# Altium PCB PCB_rovables_master_v1.PcbDoc
Units mil, origin at the board's own origin, x right, y up, seen from the top; angles counter-clockwise.
Board outline 1785 x 1550 mil, 2 copper layers (Top Layer, Bottom Layer), stack 57.918 mil thick; 14 components, 34 nets, 115 pads, 8 vias.
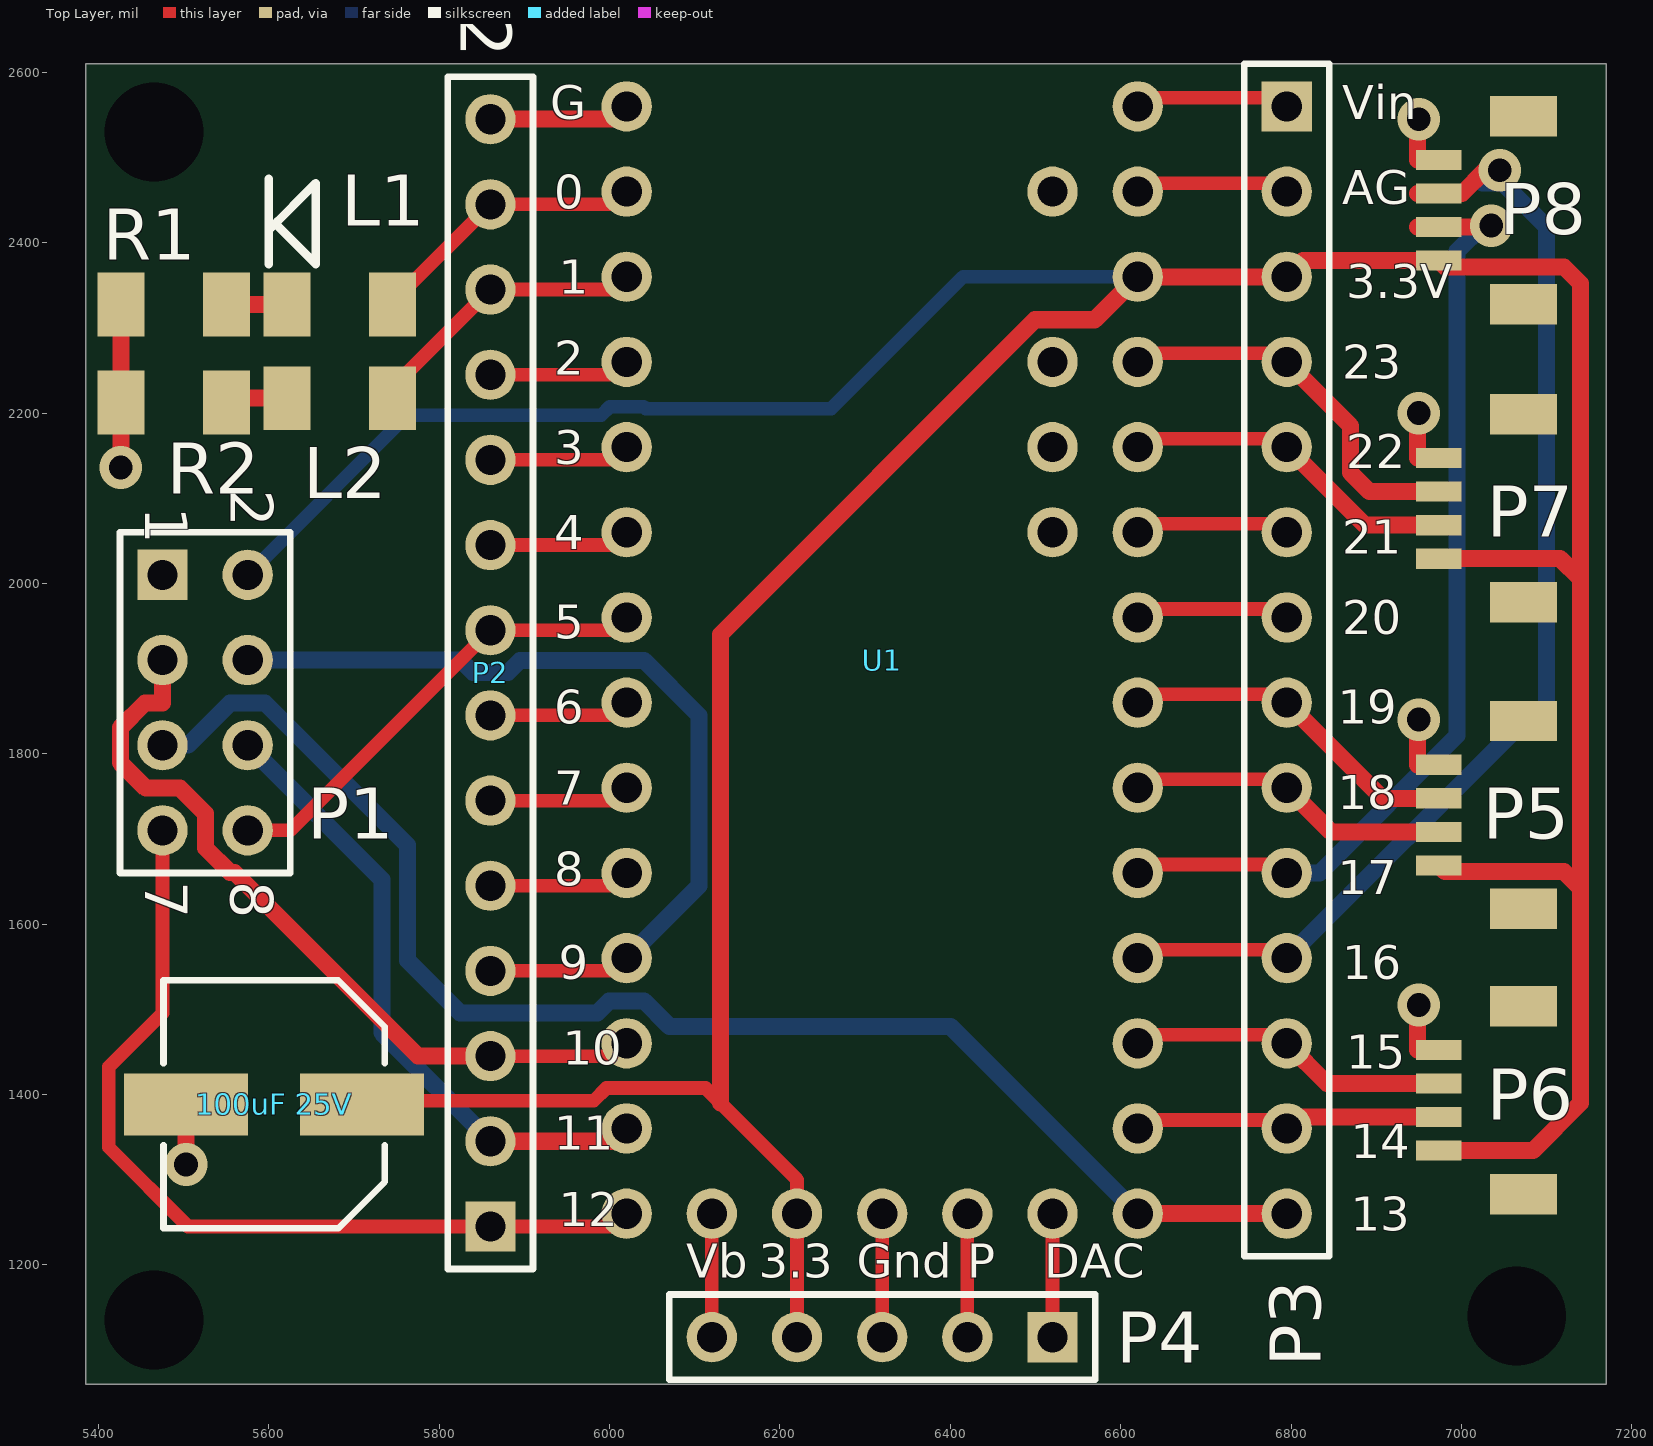
[diagram p0: Top Layer view]
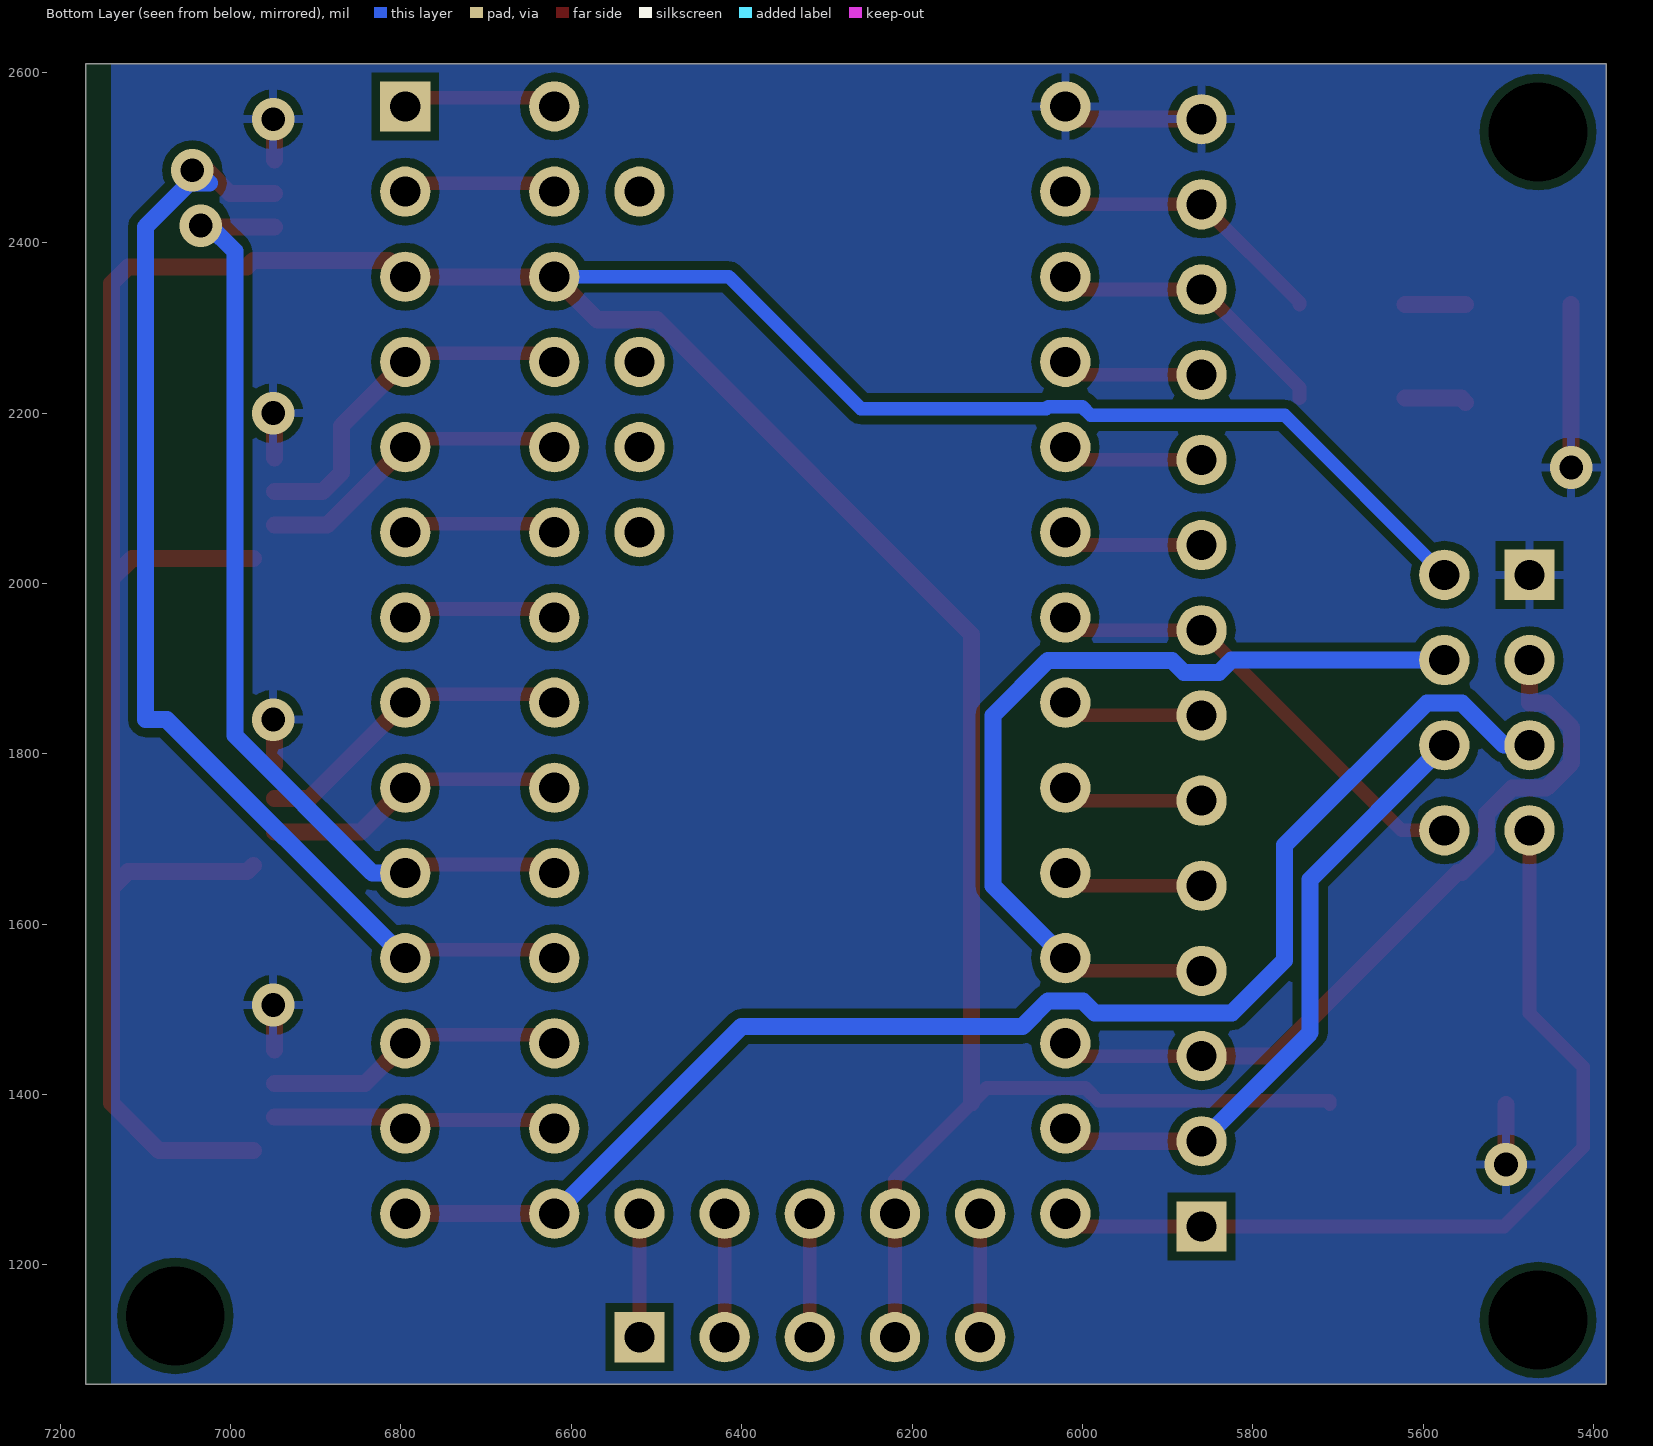
[diagram p1: Bottom Layer view, seen from below]

## Layer stack, top to bottom
Top Solder: solder mask 0.4, Solder Resist, Dk 3.5
Top Layer: signal copper 1.4
Dielectric 1: dielectric 55.1181, FR-4, Dk 4.8
Bottom Layer: signal copper 1.4
Bottom Solder: solder mask 0.4, Solder Resist, Dk 3.5

## Board outline
5385,1060 7170,1060 7170,2610 5385,2610

## Design rules (kind name [scope] priority, off if disabled: settings)
Clearance [All] p1: gap=10 ignorepadtopadclearanceinfootprint=FALSE except(0: Arc-Hole Track-Hole SMDPad-Hole THPad-Hole Via-Hole Fill-Hole Poly-Hole Region-Hole Text-Hole)
PolygonConnect [All] p1: connectstyle=Relief reliefconductorwidth=10 reliefentries=4 polygonreliefangle="90 Angle" airgapwidth=10
RoutingVias [All] p1: holewidth=28 width=50 viastyle="Through Hole" minholewidth=28 minwidth=50 maxholewidth=28 maxwidth=50
SolderMaskExpansion [All] p1: expansion=4
Width [All] p1: maxlimit=20 minlimit=10 preferedwidth=10
30 further rules are at their usual default settings.

## Components (designator, comment, footprint, x,y, rotation, side; value= is the part's Value field where it differs from the comment)
"100uF 25V" "Electrolytic Cap 100uF smd" "F80 Electrolytic cap" 5605,1390 r180 top
L1 "LED BLUE" RES_1206_SMD 5685,2290 r180 top
L2 "LED RED" RES_1206_SMD 5685,2180 r180 top
P1 "Header 4X2" HDR2X4 5475,2010 r270 top
P2 "Header 14" HDR1X14 5860,1245 r90 top
P3 "Header 14" HDR1X14 6795,2560 r270 top
P4 "Header 5" HDR1X5 6520,1115 r180 top
P5 "JST SH 4 SIDE" "JST SH 4 TOP ENTRY" 7045,1745 r90 top
P6 "JST SH 4 SIDE" "JST SH 4 TOP ENTRY" 7045,1410 r90 top
P7 "JST SH 4 SIDE" "JST SH 4 TOP ENTRY" 7045,2105 r90 top
P8 "JST SH 4 SIDE" "JST SH 4 TOP ENTRY" 7045,2455 r90 top
R1 "300" RES_1206_SMD_1 5490,2290 r180 top
R2 "300" RES_1206_SMD 5490,2175 r180 top
U1 "teensy 3.2" "Teensy 3.2" 6983.06,1879.96 r0 top

## Footprints (in the part's own frame and the unit in brackets; to place one, negate y for a bottom-side part, rotate by r counter-clockwise, add the part's x,y. Pads: shape width x height; smd on the part's side, far side on the other; paste and mask are expansions set on the pad)
"F80 Electrolytic cap" [mm]
  rect 3.7x1.85 smd: 1(-2.653,0.04) 2(2.597,0.04)
  silkscreen extent -3.33,-3.66 3.27,3.74, body extent -3.43,-3.66 3.37,3.74, height 8
HDR1X5 [mm] "Connector; Header; 5 Position"
  rect 1.5x1.5 hole 0.9: 1(0,0)
  round 1.5 hole 0.9: 2(2.54,0) 3(5.08,0) 4(7.62,0) 5(10.16,0)
  silkscreen extent -1.27,-1.27 11.43,1.27
HDR1X14 [mm] "Connector; Header; 14 Position"
  rect 1.5x1.5 hole 0.9: 1(0,0)
  round 1.5 hole 0.9: 2(2.54,0) 3(5.08,0) 4(7.62,0) 5(10.16,0) 6(12.7,0) 7(15.24,0) 8(17.78,0) 9(20.32,0) 10(22.86,0) 11(25.4,0) 12(27.94,0) 13(30.48,0) 14(33.02,0)
  silkscreen extent -1.27,-1.27 34.29,1.27
HDR2X4 [mm] "Connector; Header; 4x2 Position"
  rect 1.5x1.5 hole 0.9: 1(0,0)
  round 1.5 hole 0.9: 2(0,2.54) 3(2.54,0) 4(2.54,2.54) 5(5.08,0) 6(5.08,2.54) 7(7.62,0) 8(7.62,2.54)
  silkscreen extent -1.27,-1.27 8.89,3.81
"JST SH 4 TOP ENTRY" [mm]
  rect 0.6x1.35 smd: 1(-1.932,1.819) 2(-0.932,1.819) 3(0.068,1.819) 4(1.068,1.819)
  rect 1.2x2 smd: NC(-3.229,-0.708) NC(2.376,-0.712)
  body extent -3.45,-1.71 2.55,1.89, height 4.25
RES_1206_SMD [mm]
  rect 1.4x1.9 smd: 1(-1.525,-0.95) 2(1.625,-0.95)
  body extent -1.55,-1.9 1.8,0, height 0.5
RES_1206_SMD_1 [mm]
  rect 1.4x1.9 smd: 1(-1.525,-0.95) 2(1.625,-0.95)
  body extent -1.55,-1.9 1.8,0, height 0.5
"Teensy 3.2" [mm]
  round 1.5 hole 0.9: 1(-24.462,17.273) 2(-24.462,14.733) 3(-24.462,12.193) 4(-24.462,9.653) 5(-24.462,7.113) 6(-24.462,4.573) 7(-24.462,2.033) 8(-24.462,-0.507) 9(-24.462,-3.047) 10(-24.462,-5.587) 11(-24.462,-8.127) 12(-24.462,-10.667) 13(-24.462,-13.207) 14(-24.462,-15.747) 15(-9.222,-15.747) 16(-9.222,-13.207) 17(-9.222,-10.667) 18(-9.222,-8.127) 19(-9.222,-5.587) 20(-9.222,-3.047) 21(-9.222,-0.507) 22(-9.222,2.033) 23(-9.222,4.573) 24(-9.222,7.113) 25(-9.222,9.653) 26(-9.222,12.193) 27(-9.222,14.733) 28(-9.222,17.273) 29(-21.922,-15.747) 30(-19.382,-15.747) 31(-16.842,-15.747) 32(-14.302,-15.747) 33(-11.762,-15.747) 34(-11.762,14.733) 35(-11.762,9.653) 36(-11.762,7.113) 37(-11.762,4.573)
  body extent -25.62,-17.08 -7.74,19.92, height 6.89

## Part data
"100uF 25V": "100uF 25 VSMD"
L1 L2: library part LED, "LED SMD 1206/0603"
P1: "Header, 4-Pin, Dual row"
P2 P3: "Header, 14-Pin"
P4: "Header, 5-Pin"
R1 R2: library part Resistor

## Free pads (board coordinates)
  round 0 hole 116: 1(5465,2530) 2(7065,1140) 3(5465,1135)

## Via types
v1: diameter 50, hole 28, Top Layer to Bottom Layer, tented both sides, 8 vias

## Nets (pads, with @x,y where several pads share a name; then routed paths per layer and width w, separated by ;. In a path a pad name is that pad's centre, name@x,y a point inside that pad or via, vN(x,y) a via of type N, cw(c..) or ccw(c..) an arc to the next point about the centre after c; other vN are vias at no path point)
CE: P1.3 P2.3 U1.12 | length 920
  Top Layer w16: P2.3 6005,1445 U1.12
  Top Layer w20: P1.3 5475,1859.53 5454.48,1859.53 5425.47,1830.52 5425.47,1789.48 5455.43,1759.53 5495.52,1759.53 5525.47,1729.57 5525.47,1689.48 5554.48,1660.47 5559.53,1660.47 5775,1445 P2.3
CSN: P1.4 P2.4 U1.11 | length 1055
  Top Layer w16: P2.4 6005,1545 U1.11
  Bottom Layer w20: P1.4 5824.96,1910 5839.48,1895.47 5880.52,1895.47 5894.57,1909.53 6040.52,1909.53 6105,1845.04 6105,1645 U1.11
D2: P2.11 U1.4 | length 166.2
  Top Layer w16: P2.11 6005,2245 U1.4
D3: P2.10 U1.5 | length 166.2
  Top Layer w16: P2.10 6005,2145 U1.5
D4: P2.9 U1.6 | length 166.2
  Top Layer w16: P2.9 6005,2045 U1.6
D14: P3.13 P6.2 U1.16 | length 338.1
  Top Layer w16: U1.16@6620,1370 6785,1370 P3.13
  Top Layer w20: P3.13 6808.32,1373.32 P6.2@6948.4,1373.32
D15: P3.12 P6.3 U1.17 | length 352.1
  Top Layer w16: U1.17@6620,1470 6785,1470 P3.12
  Top Layer w20: P3.12 6842.31,1412.69 P6.3@6948.4,1412.69
D16: P3.11 P8.3 U1.18 | length 1409.2
  Top Layer w16: U1.18@6620,1570 6785,1570 P3.11
  Top Layer w20: P8.3@6948.4,2457.69 P8.3 7000.7,2457.69 7028.01,2485 v1(7045,2485)
  Bottom Layer w20: P3.11 7075,1840 7100,1840 7100,2418.64 7048.64,2470 7025,2470 7040,2485 v1(7045,2485)
D17: P3.10 P8.2 U1.19 | length 1157.7
  Top Layer w16: U1.19@6620,1670 6785,1670 P3.10
  Top Layer w20: P8.2@6948.4,2418.32 P8.2 7036.68,2418.32 v1(7035,2420)
  Bottom Layer w20: P3.10 6833.64,1660 6995,1821.36 6995,2390 7025,2420 v1(7035,2420)
D18: P3.9 P5.2 U1.20 | length 354
  Top Layer w16: U1.20@6620,1770 6785,1770 P3.9
  Top Layer w20: P3.9 6846.68,1708.32 P5.2@6948.4,1708.32
D19: P3.8 P5.3 U1.21 | length 379.1
  Top Layer w16: U1.21@6620,1870 6785,1870 P3.8
  Top Layer w20: P3.8 6907.31,1747.69 P5.3@6948.4,1747.69
D20: P3.7 U1.22 | length 179.1
  Top Layer w16: U1.22@6620,1970 6785,1970 P3.7
D21: P3.6 U1.23 | length 179.1
  Top Layer w16: U1.23@6620,2070 6785,2070 P3.6
D22: P3.5 P7.2 U1.24 | length 370.5
  Top Layer w16: U1.24@6620,2170 6785,2170 P3.5
  Top Layer w20: P3.5 6886.68,2068.32 P7.2@6948.4,2068.32
D23: P3.4 P7.3 U1.25 | length 427.9
  Top Layer w16: U1.25@6620,2270 6785,2270 P3.4
  Top Layer w20: P3.4 6870,2185 6870,2130 6892.31,2107.69 P7.3@6948.4,2107.69
GND: "100uF 25V.2" P1.1 P2.14 P5.4 P6.4 P7.4 P8.4 R1.2 R2.2 U1.1 | length 637.7
  Top Layer w20: v1(5426.02,2136.02) R2.2 R1.2 ; v1(5502.75,1317.75) 5502.75,1388.44 ; P2.14 6005,2545 U1.1 ; P6.4@6948.4,1452.06 6948.4,1503.4 v1(6950,1505) ; P5.4@6948.4,1787.06 6948.4,1838.4 v1(6950,1840) ; P7.4@6948.4,2147.06 6948.4,2198.4 v1(6950,2200) ; P8.4@6948.4,2497.06 6948.4,2543.4 v1(6950,2545)
IRQ: P1.8 P2.8 U1.7 | length 548.6
  Top Layer w16: P1.8 5625,1710 P2.8 6005,1945 U1.7
LED1: L1.1 P2.13 U1.2 | length 331.4
  Top Layer w16: L1.1 5745.04,2330.04 P2.13 6005,2445 U1.2
LED2: L2.1 P2.12 U1.3 | length 341.4
  Top Layer w16: L2.1 5745.04,2230.04 P2.12 6005,2345 U1.3
MISO: P1.7 P2.1 U1.14 | length 1050.9
  Top Layer w16: P1.7 5475,1495.4 5411.91,1432.31 5411.91,1338.09 5505,1245 P2.1 6005,1245 U1.14
MOSI: P1.6 P2.2 U1.13 | length 749.3
  Top Layer w20: P2.2 6005,1345 U1.13
  Bottom Layer w20: P1.6 5732.5,1652.5 5732.5,1472.5 P2.2
NetL1_2: L1.2 R1.1 | length 71
  Top Layer w20: R1.1 L1.2
NetL2_2: L2.2 R2.1 | length 73.1
  Top Layer w20: R2.1 5555.04,2217.4 L2.2
NetP2_5: P2.5 U1.10 | length 166.2
  Top Layer w16: P2.5 6005,1645 U1.10
NetP2_6: P2.6 U1.9 | length 166.2
  Top Layer w16: P2.6 6005,1745 U1.9
NetP2_7: P2.7 U1.8 | length 166.2
  Top Layer w16: P2.7 6005,1845 U1.8
NetP3_1: P3.1 U1.28 | length 179.1
  Top Layer w16: U1.28@6620,2570 6785,2570 P3.1
NetP3_2: P3.2 U1.27 | length 179.1
  Top Layer w16: U1.27@6620,2470 6785,2470 P3.2
NetP4_1: P4.1 U1.33 | length 155
  Top Layer w16: P4.1 U1.33 U1.33@6520,1270
NetP4_2: P4.2 U1.32 | length 155
  Top Layer w16: P4.2 U1.32 U1.32@6420,1270
NetP4_3: P4.3 U1.31 | length 155
  Top Layer w16: P4.3 U1.31 U1.31@6320,1270
NetP4_5: P4.5 U1.29 | length 155
  Top Layer w16: P4.5 U1.29 U1.29@6120,1270
SCK: P1.5 P3.14 U1.15 | length 1679.6
  Top Layer w20: U1.15 P3.14
  Bottom Layer w20: P1.5 5504.96,1810 5554.48,1859.53 5595.52,1859.53 5762.5,1692.54 5762.5,1557.5 5824.53,1495.47 5985.43,1495.47 5999.48,1509.53 6040.52,1509.53 6070.04,1480 6400,1480 U1.15
VCC: "100uF 25V.1" P1.2 P3.3 P4.4 P5.1 P6.1 P7.1 P8.1 U1.26 U1.30 | length 5201.6
  Top Layer w16: 5709.44,1388.44 5709.44,1392.53 5981.22,1392.53 5996.22,1407.53 6112.47,1407.53 6130,1390 6220,1300 U1.30 P4.4
  Top Layer w20: 6130,1390 6130,1940.04 6499.48,2309.53 6569.53,2309.53 U1.26 P3.3 6813.95,2378.95 P8.1 6980.87,2371.48 7120.54,2371.48 7140,2352.02 7140,2005 ; P6.1 7083.95,1333.95 7140,1390 7140,1642.02 ; P5.1 6980.87,1661.48 7120.54,1661.48 7140,1642.02 ; P7.1 7116.05,2028.95 7140,2005 ; 7140,1642.02 7140,2005
  Bottom Layer w16: P1.2 5762.47,2197.47 5990.26,2197.47 6000.31,2207.53 6039.69,2207.53 6042.21,2205 6260,2205 6415,2360 U1.26
pads on no net: P5.NC P6.NC P7.NC P8.NC U1.34 U1.35 U1.36 U1.37

## Polygon pours and split planes (outlines as drawn)
GND on Bottom Layer "GND " (solid, remove dead copper, pour order 0): 5385,1060 5385,2610 7140,2610 7140,1060

## Silkscreen, mask and mechanical layers (free items; w line width, h text height)
Top Overlay:
  lines w10: 5600,2375 5600,2475 5600,2415 5655,2470 5655,2375 5610,2420 5610,2425
  text "G" at 5930,2545 h40
  text "Vin" at 6860,2545 h40
  text "AG" at 6860,2445 h40
  text "0" at 5935,2440 h40
  text "1" at 5940,2340 h40
  text "3.3V" at 6865,2335 h40
  text "2" at 5935,2245 h40
  text "23" at 6860,2240 h40
  text "3" at 5935,2140 h40
  text "22" at 6865,2135 h40
  text "4" at 5935,2040 h40
  text "21" at 6860,2035 h40
  text "20" at 6860,1940 h40
  text "5" at 5935,1935 h40
  text "6" at 5935,1835 h40
  text "19" at 6855,1835 h40
  text "7" at 5935,1740 h40
  text "18" at 6855,1735 h40
  text "8" at 5935,1645 h40
  text "17" at 6855,1635 h40
  text "9" at 5940,1535 h40
  text "16" at 6860,1535 h40
  text "10" at 5945,1435 h40
  text "15" at 6865,1430 h40
  text "11" at 5935,1335 h40
  text "14" at 6870,1325 h40
  text "12" at 5940,1245 h40
  text "13" at 6870,1240 h40
  text "Vb" at 6090,1185 h40
  text "3.3" at 6175,1185 h40
  text "Gnd" at 6290,1185 h40
  text "P" at 6420,1185 h40
  text "DAC" at 6510,1185 h40
Mechanical 1:
  the board outline again, w10

## Text inside footprints (layer, text, board x,y; h text height)
P1: Top Overlay "2" at 5555,2110 h50 r270; Top Overlay "1" at 5455,2090 h50 r270; Top Overlay "7" at 5455,1650 h50 r270; Top Overlay "8" at 5555,1650 h50 r270